# Altium PCB roach2.PcbDoc (part 32 of 39)
Units mil, origin at the board's own origin, x right, y up, seen from the top; angles counter-clockwise.
Board outline 12007.87 x 9606.3 mil, 16 copper layers (L1_TOP, L2_G, L3_S, L4_G, L5_S, L6_P, L7_G, L8_R, L9_R, L10_P, L11_P, L12_S, L13_P, L14_S, L15_G, L16_BOT), stack 81.651 mil thick; 1568 components, 1918 nets, 9251 pads, 6741 vias.
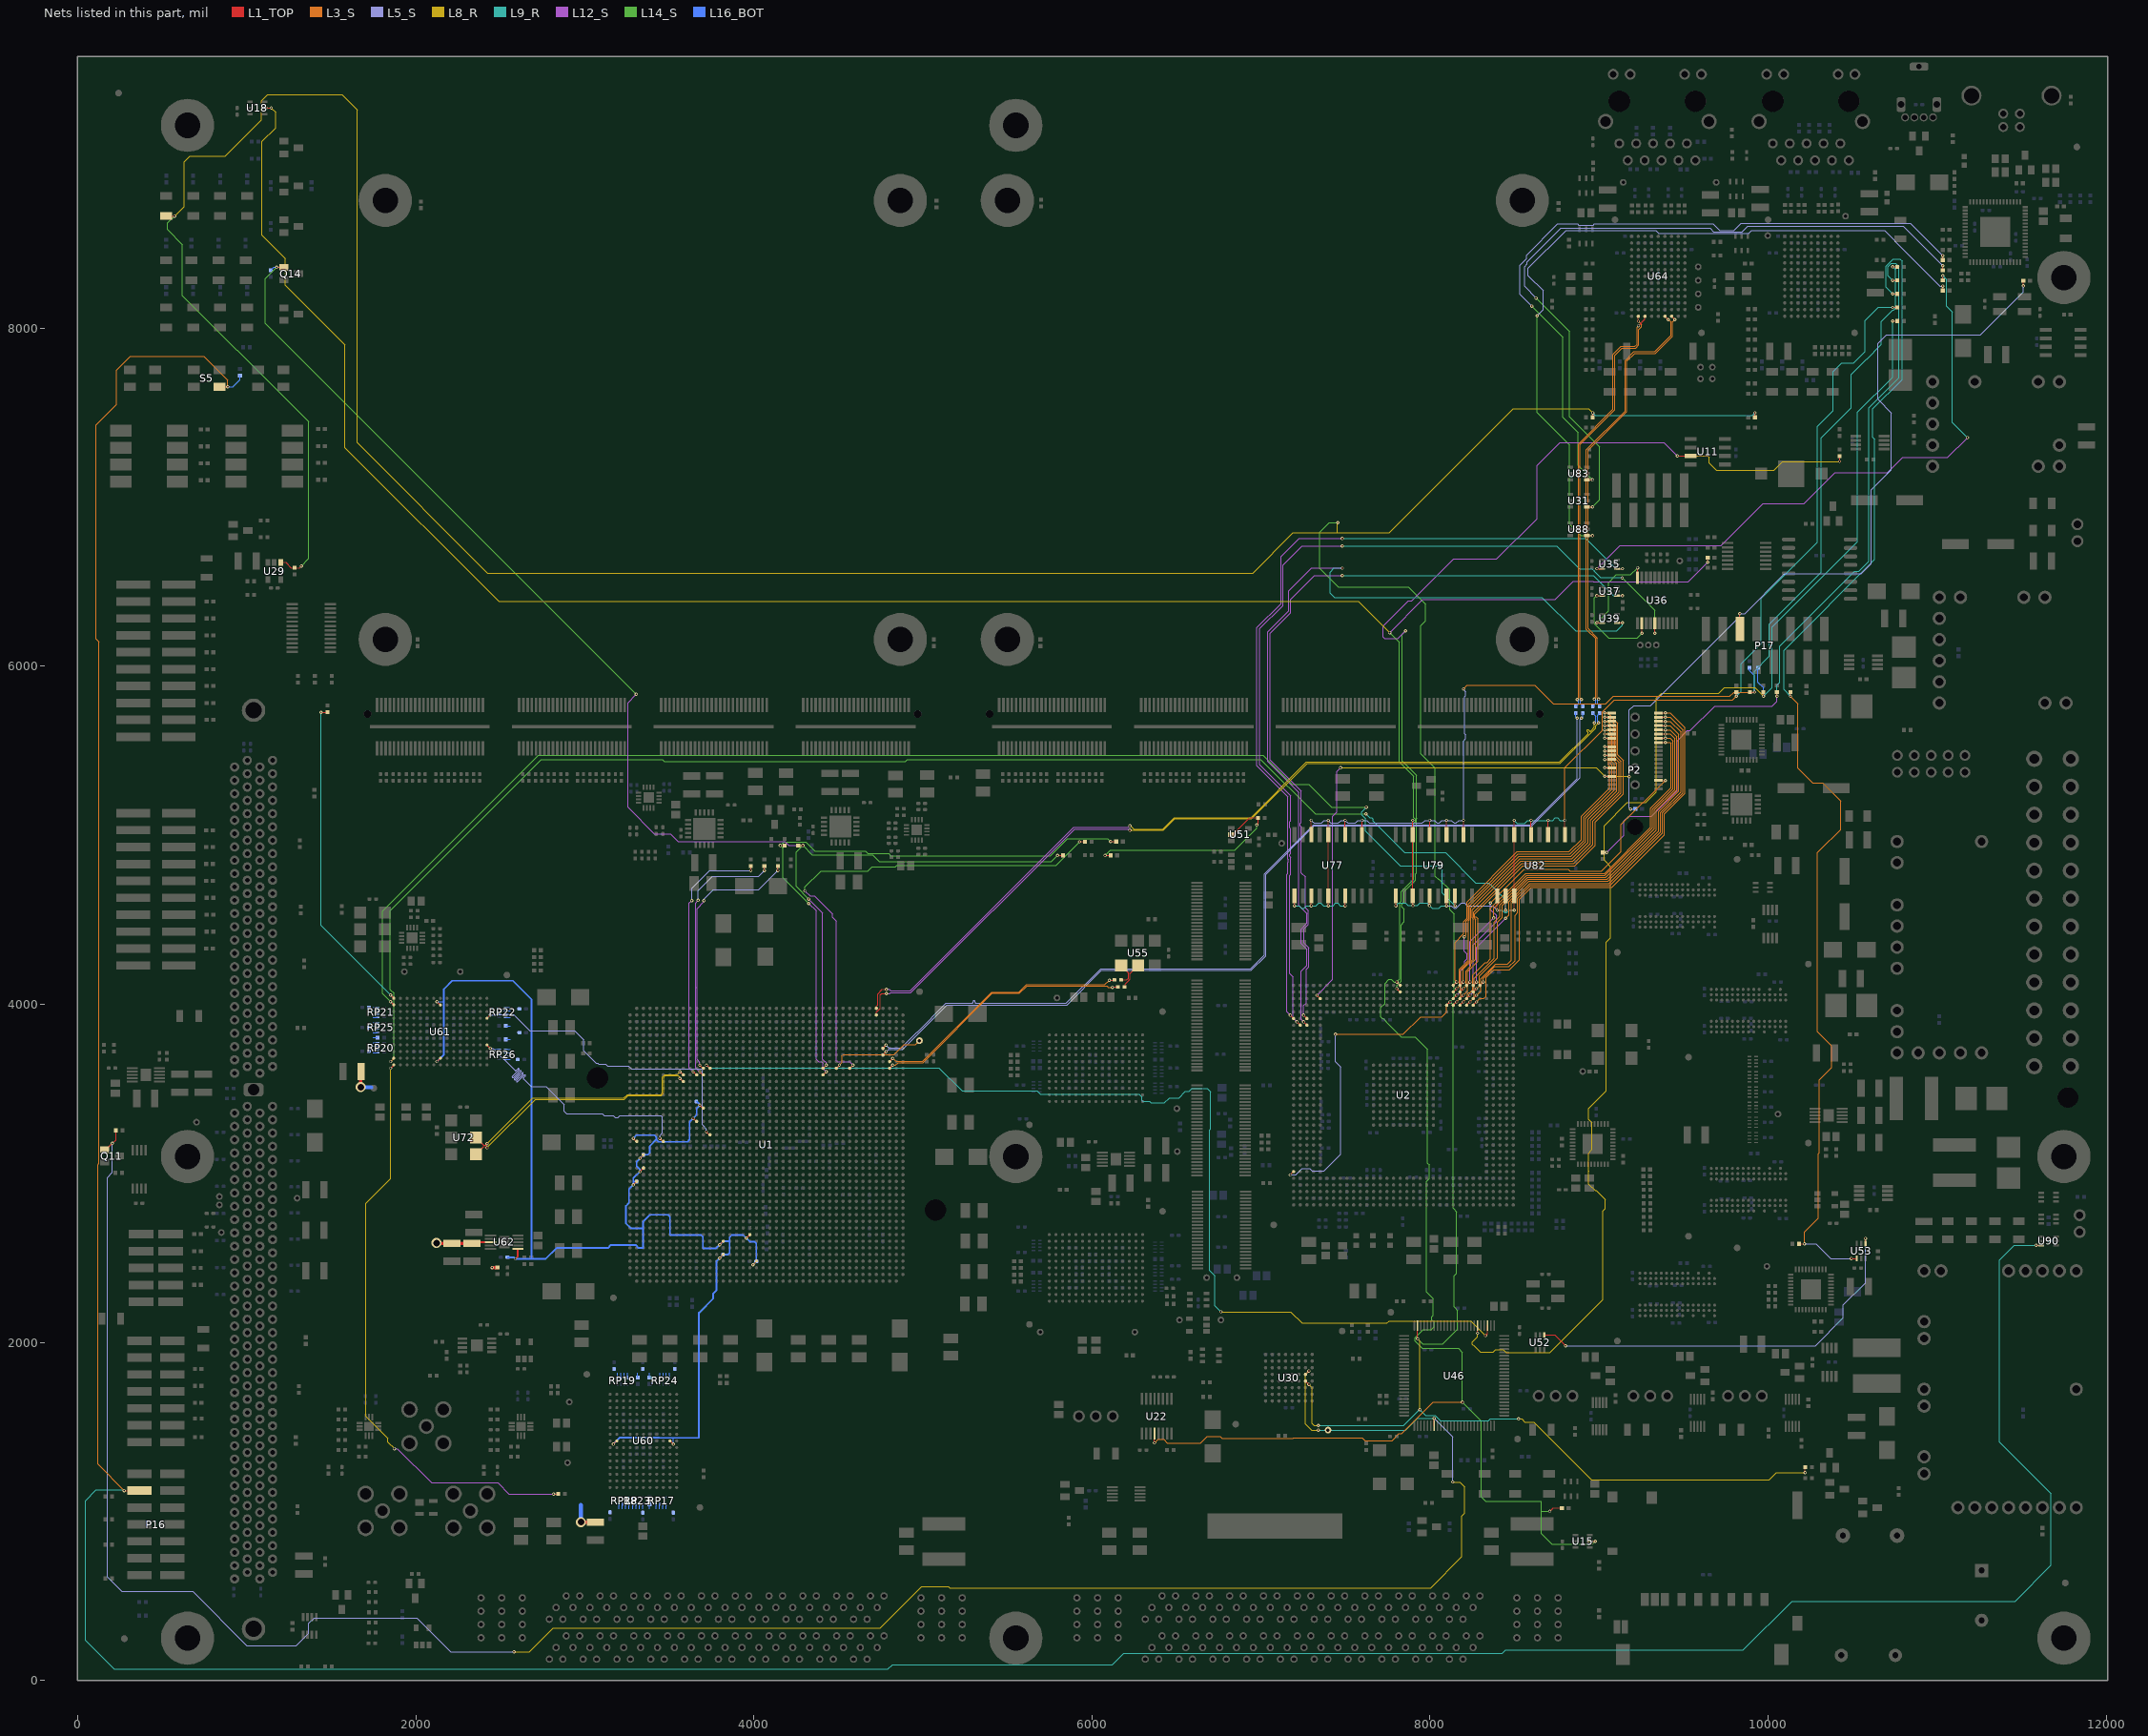
[diagram p46: the nets of this part, all layers, seen from the top]

## Via types
v1: diameter 19.4, hole 10, L1_TOP to L16_BOT, tented both sides, 3354 vias
v2: diameter 19.4, hole 10, L1_TOP to L16_BOT, 1954 vias
v3: diameter 19.4, hole 10, L1_TOP to L16_BOT, tented top, 429 vias
v4: diameter 18.6, hole 10, L1_TOP to L16_BOT, tented both sides, 311 vias
v5: diameter 59.06, hole 39.37, L1_TOP to L16_BOT, 217 vias
v6: diameter 19.4, hole 10.04, L1_TOP to L16_BOT, 125 vias
v7: diameter 19, hole 10, L1_TOP to L16_BOT, 93 vias
v8: diameter 19.4, hole 10, L1_TOP to L16_BOT, tented bottom, 80 vias
v9: diameter 25.98, hole 12.99, L1_TOP to L16_BOT, tented top, 55 vias
v10: diameter 20, hole 10, L1_TOP to L16_BOT, 53 vias
v11: diameter 59.06, hole 39.37, L1_TOP to L16_BOT, tented top, 44 vias
v12: diameter 20, hole 10, L1_TOP to L16_BOT, tented top, 16 vias
v13: diameter 19, hole 10, L1_TOP to L16_BOT, tented top, 5 vias
v14: diameter 25.98, hole 12.99, L1_TOP to L16_BOT, 4 vias
v15: diameter 50, hole 28, L1_TOP to L16_BOT, 1 vias

## Nets (pads, with @x,y where several pads share a name; then routed paths per layer and width w, separated by ;. In a path a pad name is that pad's centre, name@x,y a point inside that pad or via, vN(x,y) a via of type N, cw(c..) or ccw(c..) an arc to the next point about the centre after c; other vN are vias at no path point) (continued)
QDR3.RDN: RP26.4 U1.AU21 U61.A8 | length 1900
  L1_TOP w5: U61.A8@2421.26,3759.84 v1(2440.95,3740.16) ; v1(3443.98,3207.13) 3463.35,3187.76 U1.AU21@3463.67,3187.44
  L5_S w3.8: v1(2440.95,3740.16) 2455.83,3740.16 2587.65,3608.34 ccw(c2590.76,3611.45) 2593.87,3608.34 2604.13,3618.6 ; v1(3443.98,3207.13) 3443.98,3224.43 3459.58,3240.03 3459.58,3331.7 3450.44,3340.84 3206.84,3340.84 3195.32,3329.32 3180.66,3329.32 3168.78,3341.21 3114.75,3341.21 3103.96,3351.99 2892.99,3351.99 2877.56,3367.42 2877.56,3406.09 2770.67,3512.99 2682.99,3512.99 2637.43,3558.56 cw(c2640.54,3561.67) 2637.43,3564.78 2647.69,3575.04 ccw(c2644.58,3578.15) 2647.69,3581.26 ccw(c2644.58,3578.15) 2641.47,3581.26 2628.09,3567.89 2602.92,3542.72 ; 2571.81,3567.61 ccw(c2574.92,3570.72) 2578.03,3567.61 ; 2571.81,3567.61 ccw(c2574.92,3570.72) 2578.03,3567.61 ; 2571.81,3567.61 cw(c2574.92,3570.72) 2571.81,3573.83 ; 2571.81,3567.61 cw(c2574.92,3570.72) 2571.81,3573.83 ; 2571.81,3573.83 2596.98,3599 2610.36,3612.38 ccw(c2607.25,3615.49) 2610.36,3618.6 ; 2578.03,3567.61 2603.2,3592.78 2616.58,3606.15 cw(c2619.69,3603.04) 2622.8,3606.15 ; 2596.7,3542.72 ccw(c2599.81,3545.83) 2602.92,3542.72 ; 2596.7,3542.72 ccw(c2599.81,3545.83) 2602.92,3542.72 ; 2596.7,3542.72 cw(c2599.81,3545.83) 2596.7,3548.94 2635.25,3587.49 ccw(c2632.14,3590.6) 2635.25,3593.71 ; 2604.13,3618.6 cw(c2607.25,3615.49) 2610.36,3618.6 ; 2604.13,3618.6 cw(c2607.25,3615.49) 2610.36,3618.6 ; 2622.8,3599.93 ccw(c2619.69,3603.04) 2622.8,3606.15 ; 2622.8,3599.93 ccw(c2619.69,3603.04) 2622.8,3606.15 ; 2622.8,3599.93 2609.43,3586.56 2584.25,3561.38 ccw(c2587.37,3558.27) 2584.25,3555.16 ccw(c2587.37,3558.27) 2590.48,3555.16 2615.65,3580.33 2629.02,3593.71 ; 2629.02,3593.71 cw(c2632.14,3590.6) 2635.25,3593.71 ; 2629.02,3593.71 cw(c2632.14,3590.6) 2635.25,3593.71
  L16_BOT w5: v1(2440.95,3740.16) 2448.58,3732.52 RP26.4@2493.31,3732.52
QDR3.WRN: RP22.2 U1.AK20 U61.A4 | length 1915
  L1_TOP w5: U61.A4@2421.26,3917.32 v1(2440.95,3937.01) ; v1(3719.57,3246.5) U1.AK20@3739.26,3226.81
  L5_S w3.8: v1(2440.95,3937.01) 2442.93,3938.99 2539.99,3938.99 ; 2537.99,3938.99 2539.99,3938.99 ; v1(3719.57,3246.5) 3719.57,3263.8 3696.17,3287.2 3696.17,3324.62 3695.8,3324.99 3695.8,3607.29 3686.3,3616.8 3276.81,3616.8 3257.5,3636.11 3133.89,3636.11 3122.81,3647.19 3080.76,3647.19 3077.48,3650.48 3067.51,3650.48 2993.99,3723.99 2993.99,3789.99 2940.99,3842.99 2675.99,3842.99 2579.99,3938.99 2539.99,3938.99
  L16_BOT w5: v1(2440.95,3937.01) 2462.01,3937.01 2468.15,3943.15 RP22.2@2493.31,3943.15
QDR3_TCK: U61.R2 U79.18 | length 7925.5
  L1_TOP w5: v1(1850.39,4015.75) U61.R2@1870.08,3996.06 ; v3(8147.99,4583.31) U79.18@8147.99,4641.89
  L9_R w3.8: v2(7622.99,5166.99) 7594.99,5138.99 7594.99,5120.99 7616.99,5098.99 7616.99,5024.99 7822.99,4818.99 8046.99,4818.99 8072.99,4792.99 8072.99,4658.31 v3(8147.99,4583.31)
  L14_S w3.8: v1(1850.39,4015.75) 1802.99,4063.15 1802.99,4550.99 2724.99,5472.99 7012.99,5472.99 7184.99,5300.99 7282.99,5300.99 7416.99,5166.99 v2(7622.99,5166.99)
QDR3_TDI: R483.2 U61.R11 | length 3490
  L1_TOP w5: v1(1850.39,3622.05) U61.R11@1870.08,3641.73 ; v2(2814.99,1102.99) R483.2@2843.31,1102.99
  L8_R w3.8: v1(1850.39,3622.05) 1850.39,2968.39 1704.99,2822.99 1704.99,1562.99 1834.99,1432.99 1834.99,1410.99 1872.99,1372.99 v2(1872.99,1370.99)
  L12_S w3.8: v2(1872.99,1370.99) 1890.99,1370.99 2092.99,1168.99 2484.99,1168.99 2550.99,1102.99 v2(2814.99,1102.99)
QDR3_TDO: R484.1 U61.R1 | length 1909.6
  L1_TOP w5: v2(1439.3,5727.71) 1439.9,5728.31 R484.1@1477.99,5728.31 ; v1(1850.39,4055.12) U61.R1@1870.08,4035.43
  L9_R w3.8: v2(1439.3,5727.71) 1439.3,4466.21 v1(1850.39,4055.12)
QDR3_TMS: U61.R10 U82.12 | length 8414.5
  L1_TOP w5: v1(1850.39,3661.42) U61.R10@1870.08,3681.1 ; v2(8447.99,4557.56) U82.12@8447.99,4641.89
  L9_R w3.8: v2(7620.99,5126.99) 7643.96,5104.02 7654.45,5104.02 7663.59,5094.89 7663.59,5084.39 7848.99,4898.99 8090.99,4898.99 8270.99,4718.99 8348.99,4718.99 8447.99,4619.99 v2(8447.99,4557.56)
  L14_S w3.8: v1(1850.39,3661.42) 1870.99,3682.02 1870.99,4064.99 1848.99,4086.99 1848.99,4554.99 2742.99,5448.99 3457.93,5448.99 3469.82,5437.1 4897.74,5437.1 4909.63,5448.99 6998.99,5448.99 7320.99,5126.99 v2(7620.99,5126.99)
QDR23_VREF: C368.2 C382.2 C384.2 C402.2 C405.2 C629.2 U1.AC39 U1.AD35 U1.AH36 U1.AH38 U1.AL16 U1.AM18 U1.AY23 U1.AY25 U1.BA21 U1.BA27 U60.H2 U60.H10 U61.H2 U61.H10 U62.6 | length 8317.8
  L1_TOP w5: v1(2125.98,3661.42) U61.H10@2145.67,3681.1 ; v1(2125.98,4015.75) U61.H2@2145.67,3996.06 ; v1(3169.29,1397.64) U60.H2@3188.98,1417.32 ; v1(3286.5,2931.53) U1.BA27@3306.19,2951.22 ; v1(3286.5,3207.13) 3305.87,3187.76 U1.BA21@3306.19,3187.44 ; v1(3325.87,3010.27) U1.AY25@3345.56,3029.96 ; v1(3325.87,3089.01) U1.AY23@3345.56,3108.7 ; U60.H10@3503.94,1417.32 v1(3523.62,1397.64) ; v1(3640.83,3325.24) U1.AM18@3660.2,3305.87 ; v1(3680.2,3403.98) 3699.57,3384.61 U1.AL16@3699.89,3384.29 ; v1(3798.31,2498.46) U1.AH38@3818,2518.15 ; v1(3798.31,2577.2) U1.AH36@3818,2596.89 ; v1(3955.79,2616.57) U1.AD35@3975.48,2636.26 ; v1(3995.16,2459.09) U1.AC39@4014.85,2478.78
  L1_TOP w10: v2(2588.99,2493.99) 2603.7,2508.7 U62.6@2603.7,2553.62
  L16_BOT w5: v1(2125.98,4015.75) 2164.95,4015.75 2166.2,4016.99 ; 3522.99,1434.99 3523.62,1434.36 v1(3523.62,1397.64)
  L16_BOT w10: v1(2125.98,3661.42) 2166.2,3701.63 2166.2,4016.99 2166.2,4090.2 2214.99,4138.99 2574.99,4138.99 2684.99,4028.99 2684.99,2493.99 ; C629.2@2542.68,2502.99 2579.99,2502.99 v2(2588.99,2493.99) 2684.99,2493.99 ; v1(3169.29,1397.64) 3208.8,1437.15 3436.87,1437.15 3439.02,1434.99 3522.99,1434.99 3674.99,1434.99 3674.99,1700 3674.99,2174.99 3759.93,2259.93 3759.93,2289.67 3779.61,2309.36 3779.61,2479.76 v1(3798.31,2498.46) ; v1(3286.5,3207.13) 3305.2,3225.83 3412.36,3225.83 3423.31,3214.87 3423.31,3199.38 ; C368.2@3306.1,2951.77 3306.59,2951.77 C368.2@3308.07,2951.77 ; C368.2@3306.59,2951.26 3287.66,2951.26 3287.4,2950.99 ; C405.2@3661.42,3425.2 3681.1,3405.51 3681.1,3403.98 3681.1,3402.9 3661.5,3383.31 3661.5,3345.91 v1(3640.83,3325.24) 3620.16,3304.57 3620.16,3199.38 3607.78,3186.99 3435.7,3186.99 3423.31,3199.38 ; v1@3799.21,2500 C382.2@3817.9,2518.68 3818.9,2519.68 3819.45,2519.13 3845.43,2519.13 3856.38,2530.09 3856.38,2602.99 ; v1(3995.16,2459.09) 4013.86,2477.79 4013.86,2479.31 4013.86,2584.95 4002.91,2595.9 3976.46,2595.9 v1(3955.79,2616.57) 3937.09,2635.27 3869.31,2635.27 3856.38,2622.35 3856.38,2602.99 ; 2684.99,2493.99 2767.99,2493.99 2832.5,2558.5 3136.77,2558.5 3154.49,2576.22 3300.41,2576.22 3318.13,2558.5 3344.99,2558.5 3344.99,2674.99 ; 3287.4,2950.99 3287.4,2933.07 3286.18,2931.85 3261.83,2907.5 3261.83,2825.36 3243.13,2806.66 3243.13,2754.37 3243.13,2704.85 3272.99,2674.99 3344.99,2674.99 ; 3287.4,2950.99 3287.4,2971.8 v1(3325.87,3010.27) 3325.87,3023.2 3307.17,3041.9 3307.17,3068.34 3325.87,3087.04 v1(3325.87,3089.01) C402.2@3345.96,3109.24 3346.54,3109.68 3372.99,3109.68 3383.94,3120.64 3383.94,3160.01 3423.31,3199.38 ; 3344.99,2674.99 3344.99,2715.07 3364.92,2735 3384.91,2754.99 3462.99,2754.99 3492.99,2754.99 3503.94,2744.05 3503.94,2636.99 3505.65,2635.27 3687.95,2635.27 3698.9,2624.32 3698.9,2556.62 3698.99,2556.53 3777.64,2556.53 v1(3798.31,2577.2) 3818.98,2597.87 3851.27,2597.87 3856.38,2602.99
QDR23_VTT: C612.2 C613.2 C614.2 C615.2 C616.2 C617.2 C618.2 C619.2 C620.2 C621.2 C622.2 C623.2 C624.2 C625.2 C630.2 C631.2 R278.2 R279.2 R280.2 R281.2 R282.2 R283.2 R373.1 RP17.5 RP17.6 RP17.7 RP17.8 RP18.5 RP18.6 RP18.7 RP18.8 RP19.5 RP19.6 RP19.7 RP19.8 RP20.5 RP20.6 RP20.7 RP20.8 RP21.5 RP21.6 RP21.7 RP21.8 RP22.5 RP22.6 RP22.7 RP22.8 RP23.5 RP23.6 RP23.7 RP23.8 RP24.5 RP24.6 RP24.7 RP24.8 RP25.5 RP25.6 RP25.7 RP25.8 RP26.5 RP26.6 RP26.7 RP26.8 U62.3 | length 1918.6
  L1_TOP w10: C631.2@2332.99,2586.14 2339.84,2592.99 U62.3@2442.28,2592.99
  L1_TOP w20: v5(1674.99,3509.4) C619.2@1674.99,3594.99 ; v5@2142.99,2587.99 2144.84,2586.14 C630.2@2212.99,2586.14 C631.2@2332.99,2586.14 ; v2(2451.99,2442.99) 2452.31,2442.68 R373.1@2482.99,2442.68 ; v5(2977.4,936.14) C612.2@3062.99,936.14
  L16_BOT w5: 1746.14,3713.46 RP20.5@1773.31,3713.46 ; 1746.14,3733.15 RP20.6@1773.31,3733.15 ; 1746.14,3752.83 RP20.7@1773.31,3752.83 ; 1746.14,3772.52 RP20.8@1773.31,3772.52 ; 1746.14,3802.99 R279.2@1773.31,3802.99 ; 1746.14,3833.46 RP25.5@1773.31,3833.46 ; 1746.14,3853.15 RP25.6@1773.31,3853.15 ; 1746.14,3872.83 RP25.7@1773.31,3872.83 ; 1746.14,3892.52 RP25.8@1773.31,3892.52 ; 1746.14,3923.46 RP21.5@1773.31,3923.46 ; 1746.14,3943.15 RP21.6@1773.31,3943.15 ; 1746.14,3962.83 RP21.7@1773.31,3962.83 ; 1746.14,3982.52 RP21.8@1773.31,3982.52 ; RP26.8@2532.68,3673.46 2559.84,3673.46 ; RP26.7@2532.68,3693.15 2559.84,3693.15 ; RP26.6@2532.68,3712.83 2559.84,3712.83 ; RP26.5@2532.68,3732.52 2559.84,3732.52 ; R281.2@2532.68,3792.99 2559.84,3792.99 ; R283.2@2532.68,3872.99 2559.84,3872.99 ; RP22.8@2532.68,3923.46 2559.84,3923.46 ; RP22.7@2532.68,3943.15 2559.84,3943.15 ; RP22.6@2532.68,3962.83 2559.84,3962.83 ; RP22.5@2532.68,3982.52 2559.84,3982.52 ; RP19.5@3193.46,1792.68 3193.46,1819.84 ; 3203.46,1016.14 RP18.8@3203.46,1043.31 ; RP19.6@3213.15,1792.68 3213.15,1819.84 ; 3223.15,1016.14 RP18.7@3223.15,1043.31 ; RP19.7@3232.28,1791.34 3232.28,1818.5 ; 3242.83,1016.14 RP18.6@3242.83,1043.31 ; RP19.8@3252.52,1792.68 3252.52,1819.84 ; 3262.52,1016.14 RP18.5@3262.52,1043.31 ; 3283.46,1016.14 RP23.8@3283.46,1043.31 ; 3303.15,1016.14 RP23.7@3303.15,1043.31 ; R282.2@3312.99,1792.68 3312.99,1819.84 ; 3322.83,1016.14 RP23.6@3322.83,1043.31 ; 3342.52,1016.14 RP23.5@3342.52,1043.31 ; 3382.99,1016.14 R278.2@3382.99,1043.31 ; R280.2@3382.99,1792.68 3382.99,1819.84 ; 3423.46,1016.14 RP17.8@3423.46,1043.31 ; 3443.15,1016.14 RP17.7@3443.15,1043.31 ; RP24.5@3443.46,1792.68 3443.46,1819.84 ; 3462.83,1016.14 RP17.6@3462.83,1043.31 ; RP24.6@3463.15,1792.68 3463.15,1819.84 ; 3482.52,1016.14 RP17.5@3482.52,1043.31 ; RP24.7@3482.83,1792.68 3482.83,1819.84 ; RP24.8@3502.52,1792.68 3502.52,1819.84
  L16_BOT w20: v5(1674.99,3509.4) 1738.4,3509.4
  L16_BOT w25: v5(2977.4,936.14) 2977.4,1036.58
  other v5: 2122.99,2587.99
RESET_PBN: P16.12 R346.1 S5.1 U90.6 | length 23053.3
  L1_TOP w5: v2(275.03,1122.99) P16.12@365.55,1122.99 ; S5.1@837.99,7652.99 v2(887.93,7652.99) ; v2(11585.26,2574.41) U90.6@11616.69,2574.41
  L3_S w3.8: v2(275.03,1122.99) 118.99,1279.03 118.99,3051.15 126.4,3058.56 126.4,6143.48 108.56,6161.32 108.56,7428.56 228.99,7548.99 228.99,7752.99 310.99,7834.99 744.99,7834.99 887.93,7692.05 v2(887.93,7652.99)
  L9_R w5: v2(275.03,1122.99) 271.02,1127 109,1127 46,1064 46,237 216,67 4794,67 4820,93 6121,93 6189,161 8427,161 8447,181 9853,181 10141,469 11461,469 11673,681 11673,1105 11369,1409 11369,2488 11455.41,2574.41 v2(11585.26,2574.41)
  L16_BOT w5: v2(887.93,7652.99) 917.99,7652.99 960,7695 R346.1@960,7720.31
RTC_IRQN: R90.1 U2.U33 U11.7 | length 6018
  L1_TOP w5: v1(7803.62,4092.91) U2.U33@7823.31,4073.23 ; v2(9463.48,7244) U11.7@9540.64,7244 ; v2(10422.99,7211.88) R90.1@10422.99,7243.31
  L8_R w3.8: v2(9463.48,7244) 9643.98,7244 9650.99,7236.99 9650.99,7203.34 9693.34,7160.99 10034.99,7160.99 10085.88,7211.88 v2(10422.99,7211.88)
  L12_S w3.8: v2(7854.99,6208.99) 7810.99,6164.99 7730.99,6164.99 7722.99,6172.99 7722.99,6238.99 7870.99,6386.99 7890.99,6386.99 8138.99,6634.99 8394.99,6634.99 8632.99,6872.99 8632.99,7186.99 8768.99,7322.99 9384.49,7322.99 v2(9463.48,7244)
  L14_S w3.8: v1(7803.62,4092.91) 7803.62,4110.22 7828.79,4135.39 7828.79,4470.79 7846.99,4488.99 7846.99,4562.25 7832.39,4576.85 7832.39,4589.77 7846.99,4604.37 7846.99,4667.06 7913.39,4733.46 7913.39,4769.93 7919.59,4776.13 7919.59,5076.93 7921.39,5078.73 7921.39,5098.12 7919.59,5099.92 7919.59,5355.54 7834.79,5440.34 7834.79,6188.79 v2(7854.99,6208.99)
SGMII_ACTX_N: C704.2 U64.A3 | length 2638.8
  L1_TOP w5: U64.A3@9429.13,8070.87 v1(9448.82,8051.18)
  L3_S w3.8: v2(8997.69,5805.12) 8989.89,5812.92 8989.89,6167.95 8934.99,6222.85 8934.99,7276.99 9164.79,7506.79 9164.79,7804.99 9210.79,7850.99 9333.05,7850.99 9434.79,7952.73 9434.79,8037.15 v1(9448.82,8051.18)
  L16_BOT w5: v2(8997.69,5805.12) 8997.11,5805.7 8990.49,5805.7 8990.49,5805.12 8990.49,5802.47 8990.93,5802.04 8990.93,5778.71 C704.2@9004.98,5764.66
SGMII_ACTX_P: C703.2 U64.A4 | length 2637
  L1_TOP w5: U64.A4@9389.76,8070.87 v1(9409.45,8051.18)
  L3_S w3.8: v2(8972.29,5805.12) 8980.09,5812.92 8980.09,6163.89 8925.19,6218.79 8925.19,7281.05 9154.99,7510.85 9154.99,7809.05 9206.73,7860.79 9328.99,7860.79 9424.99,7956.79 9424.99,8035.64 v1(9409.45,8051.18) v1@9410.99,8049.64
  L16_BOT w5: C703.2@8964.99,5764.65 8979.93,5779.58 8979.93,5797.14 8979.49,5797.58 8979.49,5797.92 v2(8972.29,5805.12)
SGMII_CLKAC_N: C505.1 U55.4 | length 141.4
  L1_TOP w5: C505.1@6172.68,4144.8 6206.8,4144.8 6216.99,4154.99 6216.99,4185.17 U55.4@6172.99,4229.17 U55.4@6172.68,4228.86
SGMII_CLKAC_P: C508.1 U55.5 | length 159.4
  L1_TOP w5: C508.1@6192.68,4102.99 6196.99,4107.31 6196.99,4118.99 6225.99,4147.99 6225.99,4182.17 U55.5@6272.99,4229.17
SGMII_CLKREF_N: C505.2 U1.C9 | length 1543.6
  L1_TOP w5: U1.C9@4802.25,3659.88 4803.47,3661.1 v1(4821.94,3679.57) ; v2@6104.99,4142.99 6133.31,4142.99 C505.2@6133.31,4144.8
  L3_S w3.8: v1@4822.84,3681.1 4823.16,3680.79 4839.97,3663.97 4998.46,3663.97 5407.49,4072.99 5568.99,4072.99 5612.79,4116.79 6076.79,4116.79 v2(6102.99,4142.99)
SGMII_CLKREF_P: C508.2 U1.C10 | length 1552.7
  L1_TOP w5: U1.C10@4802.25,3620.51 4803.47,3621.73 v1(4821.94,3640.2) ; v2@6124.99,4102.99 C508.2@6153.31,4102.99
  L3_S w3.8: v1(4821.94,3640.2) 4839.25,3640.2 4854.85,3655.8 5001.32,3655.8 5410.72,4065.19 5572.22,4065.19 5616.02,4108.99 6088.99,4108.99 6096.99,4100.99 v2(6120.99,4100.99)
SGMII_RX_AC_N: C488.1 U1.D8 | length 5476.8
  L1_TOP w5: U1.D8@4762.88,3699.25 4764.1,3700.47 v1(4782.57,3718.94)
  L5_S w3.8: v1(4782.57,3718.94) 4798.17,3734.54 4879.74,3734.54 5141.26,3996.06 5852.44,3996.06 6057.17,4200.79 6942.99,4200.79 7029.48,4287.28 7029.48,4769.55 7314.93,5054.99 8602.99,5054.99 8887.75,5339.75 8887.75,5685.11 v2(8895.55,5692.91)
  L16_BOT w5: v2(8895.55,5692.91) 8902.99,5700.35 C488.1@8902.99,5723.31
SGMII_RX_AC_P: C486.1 U1.D7 | length 5476.8
  L1_TOP w5: U1.D7@4762.88,3738.62 4764.1,3739.84 v1(4782.57,3758.31)
  L5_S w3.8: v1(4782.57,3758.31) 4798.54,3742.34 4870.54,3742.34 4963.99,3835.79 4967.13,3835.79 5137.2,4005.86 5290.6,4005.86 ccw(c5290.6,4011.76) 5296.5,4011.76 5296.5,4016.29 cw(c5302.4,4016.29) 5302.4,4022.19 cw(c5302.4,4016.29) 5308.3,4016.29 5308.3,4011.76 ccw(c5314.2,4011.76) 5314.2,4005.86 5848.38,4005.86 6053.11,4210.59 6938.93,4210.59 7019.68,4291.34 7019.68,4771.65 7310.82,5062.79 8596.93,5062.79 8870.15,5336.01 v2(8870.15,5692.91) ; v1@4783.47,3759.84 v1@4783.78,3759.53
  L16_BOT w5: C486.1@8862.99,5723.31 8862.99,5700.07 v2(8870.15,5692.91)
SGMII_RX_N: C488.2 U64.A8 | length 2531.3
  L1_TOP w5: U64.A8@9232.28,8070.87 9232.28,8041.7 v2(9232.99,8040.99)
  L3_S w3.8: v2(8895.69,5803.15) 8887.89,5810.95 8887.89,7311.89 9092.79,7516.79 9092.79,7840.79 9134.99,7882.99 9217.05,7882.99 9234.79,7900.73 9234.79,7991.9 9250.59,8007.7 9250.59,8023.39 v2(9232.99,8040.99)
  L16_BOT w5: v2(8895.69,5803.15) 8895.11,5803.73 8888.49,5803.73 8888.49,5803.15 8888.49,5800.51 8888.93,5800.07 8888.93,5776.74 C488.2@8902.99,5762.68
SGMII_RX_P: C486.2 U64.A7 | length 2531.9
  L1_TOP w5: v2(9232.99,8014.99) 9271.65,8053.65 U64.A7@9271.65,8070.87
  L3_S w3.8: v2(8870.29,5803.15) 8878.09,5810.95 8878.09,7315.95 9082.99,7520.85 9082.99,7844.85 9130.93,7892.79 9212.99,7892.79 9224.99,7904.79 9224.99,8006.99 v2(9232.99,8014.99)
  L16_BOT w5: C486.2@8862.99,5762.68 8877.93,5777.61 8877.93,5795.18 8877.49,5795.61 8877.49,5795.95 v2(8870.29,5803.15)
SGMII_TX_N: C704.1 U1.E2 | length 5125.4
  L1_TOP w5: U1.E2@4724.41,3937.01 4724.41,3953.27 4747.24,3976.1 4747.24,4055.78 4755.46,4063.99 v1(4784.24,4063.99)
  L8_R w3.8: v2(6224.41,5029.64) 6423.64,5029.64 6490.99,5096.99 6945.02,5096.99 7273.02,5424.99 8770.02,5424.99 8980.31,5635.28 8980.31,5647.75 v2(8997.91,5665.35)
  L12_S w3.8: v1(4784.24,4063.99) 4804.15,4063.99 4810.06,4069.9 4929.26,4069.9 5896.8,5037.44 6216.61,5037.44 v2(6224.41,5029.64)
  L16_BOT w5: v2(8997.91,5665.35) 8990.71,5672.55 8990.71,5711.03 C704.1@9002.99,5723.31
SGMII_TX_P: C703.1 U1.E1 | length 5125.4
  L1_TOP w5: U1.E1@4724.41,3976.38 4724.41,3988.99 4732.24,3996.83 4732.24,4061.99 4758.24,4087.99 v1(4784.24,4087.99)
  L8_R w3.8: v2(6224.41,5055.04) 6228.94,5055.04 6246.54,5037.44 6420.41,5037.44 6487.76,5104.79 6941.79,5104.79 7269.99,5432.99 8766.99,5432.99 8934.32,5600.32 ccw(c8930.15,5604.5) 8934.32,5608.67 8929.51,5613.49 cw(c8933.68,5617.66) 8929.51,5621.83 cw(c8933.68,5617.66) 8937.85,5621.83 8942.67,5617.01 ccw(c8946.84,5621.18) 8951.01,5617.01 8972.51,5638.51 v2(8972.51,5665.35)
  L12_S w3.8: v1(4784.24,4087.99) 4801.77,4087.99 4810.06,4079.7 4925.2,4079.7 5892.74,5047.24 6216.61,5047.24 v2(6224.41,5055.04)
  L16_BOT w5: C703.1@8962.99,5723.31 8962.99,5721.45 8979.71,5704.72 8979.71,5672.55 v2(8972.51,5665.35)
SM_DBUSY: U1.AK10 U46.78 | length 6181.9
  L1_TOP w5: v1@3720.63,3640.36 U1.AK10@3740,3620.99 ; v2(8328,2040) 8339.84,2051.84 U46.78@8339.84,2099.25
  L8_R w3.8: v2(6763,2181) 7177,2181 7244.61,2113.39 7745.39,2113.39 7758,2126 8242,2126 v2(8328,2040)
  L9_R w3.8: v1(3719.63,3639.36) 3734.39,3624.6 5094.4,3624.6 5232,3487 5675,3487 5694,3468 6278.47,3468 6295.13,3451.34 6295.13,3432.87 6302,3426 6342,3426 6350,3418 6429,3418 6458,3447 6516,3447 6553.12,3484.12 6576.35,3484.12 6593.23,3501 6683,3501 6700.8,3483.2 6700.8,3261.3 6697,3257.5 6697,2425 6728.59,2393.41 6728.59,2215.41 v2(6763,2181)
SM_DIN: TP1.1 U1.L10 | length 582.8
  L1_TOP w5: U1.L10@4488.19,3622.05 v1(4506.66,3640.52)
  L3_S w3.8: v1(4506.66,3640.52) 4522.58,3656.43 4522.58,3696.58 4529.34,3703.34 4829.34,3703.34 4888,3762 4957,3762 TP1.1@4980,3785
SM_DONE: Q14.1 R148.2 R261.1 R460.2 U1.N10 | length 8400.7
  L1_TOP w5: v2(1177.42,8360.39) Q14.1@1219.68,8360.39 ; R261.1@4262.99,4939.31 v2(4289.65,4939.31) ; U1.N10@4408.55,3620.51 4409.77,3621.73 v1(4428.24,3640.2) ; v2@5796.99,4880.99 R148.2@5829.31,4880.99
  L12_S w3.8: v2(3304.99,5834.99) 3254.99,5784.99 3254.99,5164.99 3410.99,5008.99 3506.99,5008.99 3552.99,4962.99 4182.99,4962.99 4206.68,4939.31 v2(4289.65,4939.31) ; v2(4324.99,4622.99) 4406.99,4540.99 4406.99,3674.99 4428.24,3653.75 v1(4428.24,3640.2)
  L14_S w3.8: v2(1177.42,8360.39) 1110.99,8293.96 1110.99,8028.99 v2(3304.99,5834.99) ; v2(4324.99,4622.99) 4250.99,4696.99 4250.99,4900.65 v2(4289.65,4939.31) 4344.54,4884.42 4701.56,4884.42 4740.99,4844.99 5760.99,4844.99 v2(5796.59,4880.59)
  L16_BOT w5: R460.2@1142.99,8342.68 1160.71,8360.39 v2(1177.42,8360.39)
SM_INITN: R147.2 R259.1 U1.N11 | length 3594.4
  L1_TOP w5: v3(4156.33,4939.31) R259.1@4182.99,4939.31 ; U1.N11@4408.55,3581.14 4409.77,3582.36 v1(4428.24,3600.83) ; v2@6110.99,4962.99 R147.2@6143.31,4962.99
  L12_S w3.8: v2(4324.99,4596.99) 4368.99,4552.99 4368.99,3674.99 4384.99,3658.99 4400.99,3658.99 4408.99,3650.99 4408.99,3620.07 v1(4428.24,3600.83)
  L14_S w3.8: v2(4324.99,4596.99) 4172.99,4748.99 4172.99,4922.65 v3(4156.33,4939.31) 4178.02,4960.99 4306.99,4960.99 4360.99,4906.99 4658.99,4906.99 4673.76,4892.22 4797.76,4892.22 4810.99,4878.99 5754.99,4878.99 5856.99,4980.99 6092.19,4980.99 v2(6110.59,4962.59)
SM_MODE0: R256.2 U1.AL11 | length 1583.4
  L1_TOP w5: v1(3680.2,3600.83) 3699.57,3581.46 U1.AL11@3699.89,3581.14 ; v2(4061.99,4791.65) R256.2@4061.99,4818.31
  L5_S w3.8: v2(3670.99,4614.99) 3670.99,4672.99 3754.99,4756.99 4027.34,4756.99 v2(4061.99,4791.65)